# Altium PCB Seeed Case (113x70x25) - Alarm Interface (32U4).PcbDoc
Units mm, origin at the board's own origin, x right, y up, seen from the top; angles counter-clockwise.
Board outline 109.75 x 66.75 mm, 2 copper layers (Top Layer, Bottom Layer), stack 1.691 mm thick; 111 components, 94 nets, 403 pads, 88 vias.
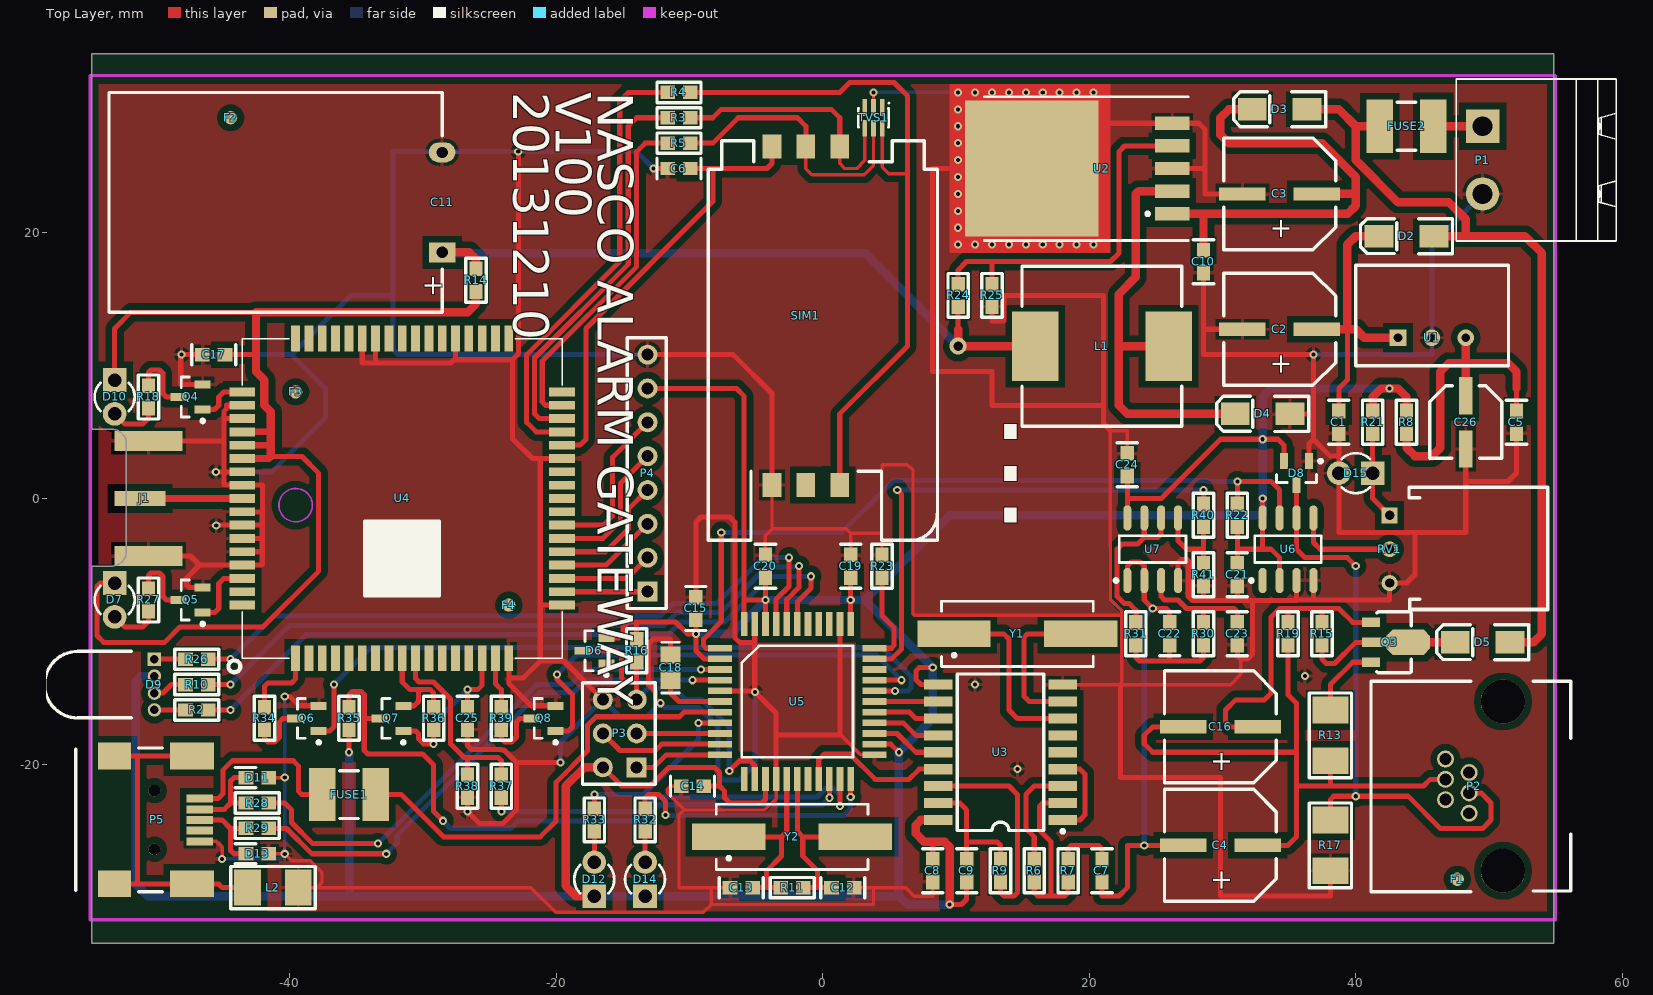
[diagram p0: Top Layer view]
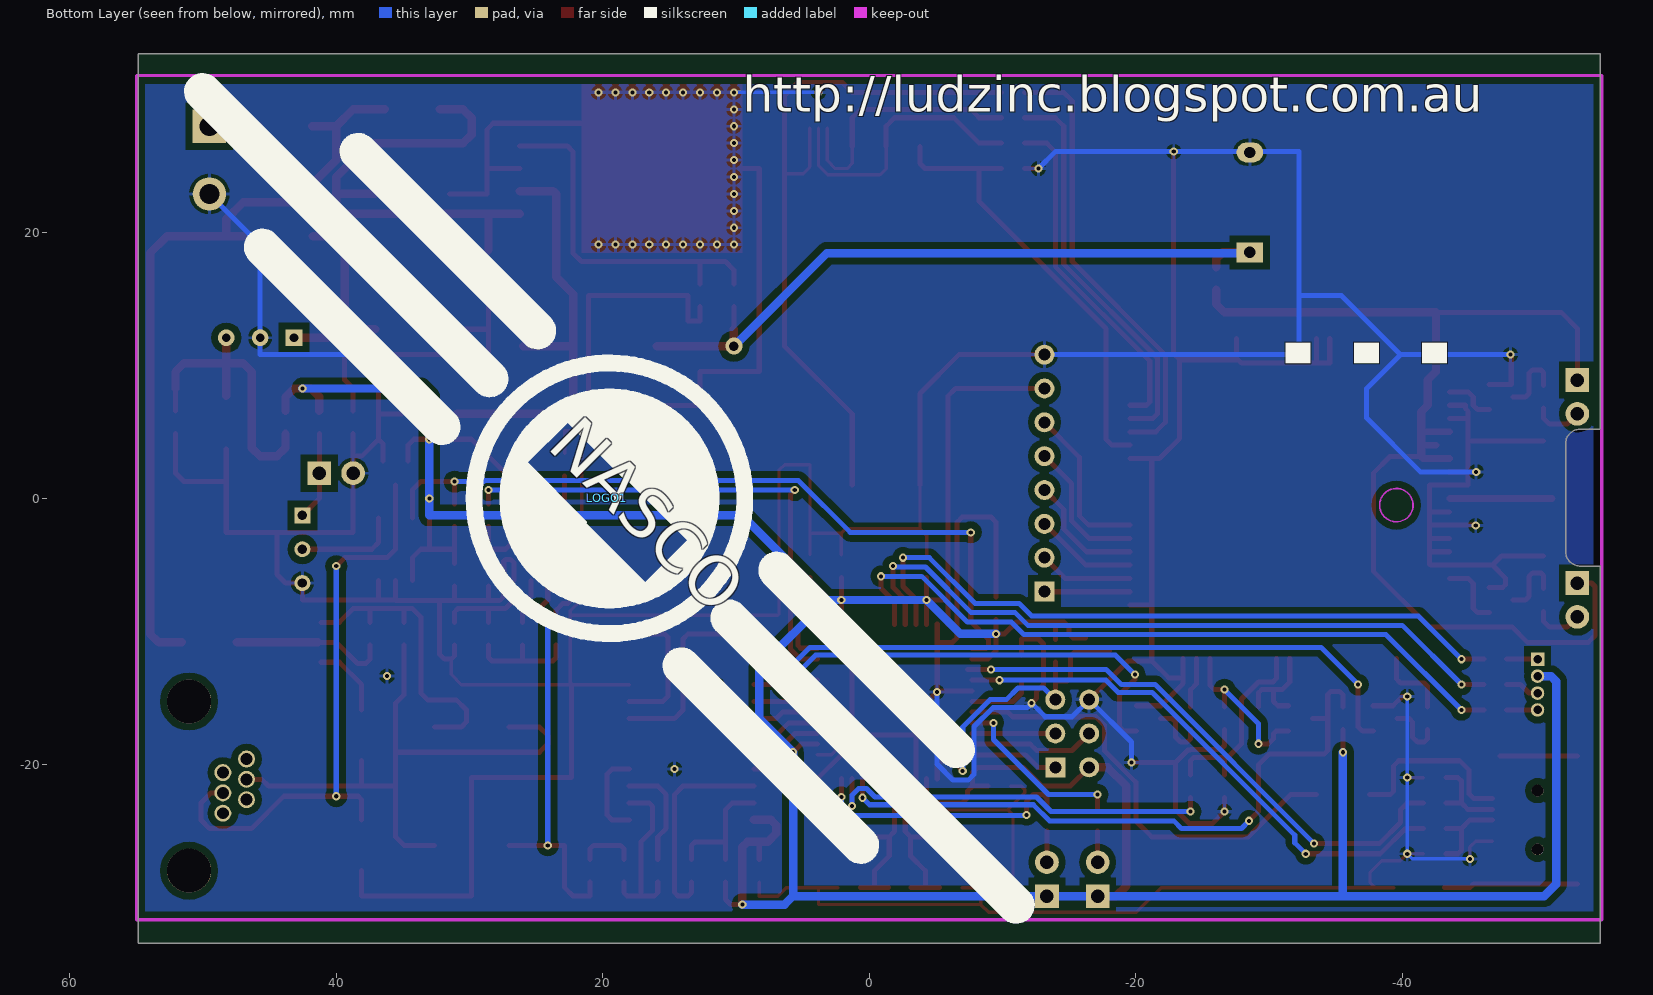
[diagram p1: Bottom Layer view, seen from below]

## Layer stack, top to bottom
Top Layer: signal copper 0.0356
Dielectric: core 1.62, FR-4, Dk 4.8
Bottom Layer: signal copper 0.0356

## Board outline
-54.873,-5.08 -53.399,-5.08 ccw(c-53.399,-3.953) -52.271,-3.953 -52.271,4.08 ccw(c-53.399,4.08) -53.399,5.207 -54.873,5.207 -54.873,33.373 54.873,33.373 54.873,-33.373 -54.873,-33.373

## Design rules (kind name [scope] priority, off if disabled: settings)
Clearance Poly_GND [inPolygon vs not innet (gnd)] p1: gap=0.508
Clearance Poly_FIDUCIAL [inPolygon vs not innet (gnd)] p2: gap=1
Clearance [All] p3: gap=0.203
PolygonConnect [All] p1: connectstyle=Relief reliefconductorwidth=0.254 reliefentries=4 polygonreliefangle="90 Angle" airgapwidth=0.254
RoutingVias [All] p1: holewidth=0.305 width=0.61 viastyle="Through Hole" minholewidth=0.305 minwidth=0.61 maxholewidth=0.711 maxwidth=1.27
SolderMaskExpansion [All] p1: expansion=0.102
Width Standard [All] p1: maxlimit=0.635 minlimit=0.203 preferedwidth=0.203
Width Power [inNet('VIN')] p2: maxlimit=2.54 minlimit=0.203 preferedwidth=0.635
28 further rules are at their usual default settings.

## Classes and differential pairs
component class "NASCO Alarm Interface": LOGO1
component class U_ATMEGA32U4-AU: C12 C13 C14 C15 C18 C19 C20 D6 D9 D11 D12 D13 D14 FUSE1 L2 P3 P5 R2 R10 R11 R16 R23 R26 R28 R29 R32 R33 U5 Y2
component class "U_Mechanical Info": F1 F2 F3 F4 PLUG
component class "U_Power Supply": C1 C2 C3 C5 C10 C11 C26 D2 D3 D4 D5 FUSE2 L1 P1 R8 R14 R24 R25 U1 U2
component class U_SIM900: C6 C17 C25 D7 D10 J1 P4 Q4 Q5 Q6 Q7 Q8 R3 R4 R5 R18 R27 R34 R35 R36 R37 R38 R39 SIM1 TVS1 U4
component class "U_Telephone Line Emulator": C4 C7 C8 C9 C16 C21 C22 C23 C24 D8 D15 P2 Q3 R6 R7 R9 R13 R15 R17 R19 R21 R22 R30 R31 R40 R41 RV1 U3 U6 U7 Y1

## Components (designator, comment, footprint, x,y, rotation, side; value= is the part's Value field where it differs from the comment)
C1 "100nF" "CAP (3D) - 0603" 38.735,5.715 r90 top
C2 "100uF" "CAP ELECTRO SIZE-E" 34.29,12.7 r90 top
C3 "100uF" "CAP ELECTRO SIZE-E" 34.29,22.86 r90 top
C4 "100uF" "CAP ELECTRO SIZE-E" 29.845,-26.035 r90 top
C5 "100nF" "CAP (3D) - 0603" 52.07,5.715 r90 top
C6 "100nF" "CAP (3D) - 0603" -10.795,24.765 r0 top
C7 "100nF" "CAP (3D) - 0603" 20.955,-27.94 r90 top
C8 "100nF" "CAP (3D) - 0603" 8.255,-27.94 r90 top
C9 "100nF" "CAP (3D) - 0603" 10.795,-27.94 r270 top
C10 "100nF" "CAP (3D) - 0603" 28.575,17.78 r90 top
C11 "2700uF" "CAP D(16) L(20) P(7.5)" -28.575,22.225 r270 top
C12 "22pF" "CAP (3D) - 0603" 1.505,-29.21 r180 top
C13 "22pF" "CAP (3D) - 0603" -6.115,-29.21 r0 top
C14 "100nF" "CAP (3D) - 0603" -9.779,-21.59 r0 top
C15 "100nF" "CAP (3D) - 0603" -9.525,-8.255 r270 top
C16 "100uF" "CAP ELECTRO SIZE-E" 29.845,-17.145 r90 top
C17 "100nF" "CAP (3D) - 0603" -45.72,10.795 r0 top
C18 "1uF" "CAP (3D) - 0805" -11.43,-12.7 r90 top
C19 "100nF" "CAP (3D) - 0603" 2.095,-5.08 r270 top
C20 "100nF" "CAP (3D) - 0603" -4.305,-5.08 r270 top
C21 "100nF" "CAP (3D) - 0603" 31.115,-5.715 r90 top
C22 "10nF" "CAP (3D) - 0603" 26.035,-10.16 r270 top
C23 "10nF" "CAP (3D) - 0603" 31.115,-10.16 r90 top
C24 "100nF" "CAP (3D) - 0603" 22.86,2.54 r270 top
C25 "100nF" "CAP (3D) - 0603" -26.67,-16.51 r90 top
C26 "10uF" "CAP ELECTRO SIZE-C" 48.26,5.715 r180 top
D2 "S1M" DO-214AC 43.815,19.685 r180 top
D3 "S1M" DO-214AC 34.29,29.21 r180 top
D4 "CD214A-B340LF" DO-214AC 33.02,6.35 r180 top
D5 "S1M" DO-214AC 49.53,-10.795 r180 top
D6 "BAV99" SOT23-3L -17.145,-11.43 r180 top
D7 "LED (RED)" "LED(3D) 3MM RIGHT ANGLE RED" -53.159,-7.62 r90 top
D8 "BAV99" SOT23-3L 35.56,1.905 r270 top
D9 "RGB 5mm" "LED(3D) 5MM RIGHT ANGLE (RGB) - COMMON ANODE" -50.165,-13.97 r90 top
D10 "LED (GREEN)" "LED(3D) 3MM RIGHT ANGLE GREEN" -53.159,7.62 r90 top
D11 "TVS" "TVS (3D) - 0603" -42.448,-20.955 r0 top
D12 "LED (RED)" "LED(3D) 3MM VERTICAL (RED)" -17.145,-28.575 r270 top
D13 "TVS" "TVS (3D) - 0603" -42.448,-26.67 r0 top
D14 "LED (GREEN)" "LED(3D) 3MM VERTICAL (GREEN)" -13.335,-28.575 r270 top
D15 "LED (RED)" "LED 3MM" 40.005,1.905 r0 top
F1 "Fiducial" FIDUCIAL 47.625,-28.575 r90 top
F2 "Fiducial" FIDUCIAL -44.45,28.575 r90 top
F3 "Fiducial" FIDUCIAL -39.569,8 r90 top
F4 "Fiducial" FIDUCIAL -23.568,-8 r90 top
FUSE1 "500mA" "miniSMD Polyswitch" -35.56,-22.225 r0 top
FUSE2 "500mA" "miniSMD Polyswitch" 43.815,27.94 r180 top
J1 "SMA" "SMA EDGE MOUNT" -56.08,0 r0 top
L1 "Inductor" "INDUCTOR 12x12x8" 20.955,11.43 r270 top
L2 "BEAD" "RES (3D) - 1210" -41.275,-29.21 r0 top
LOGO1 "NASCO" NASCO_LOGO 19.685,0 r225 bottom
P1 "Power" "5.08MM HEADER 2 WAY RA- WITH SOCKET" 49.53,27.94 r270 top
P2 "PHONE" "MOLEXZ RJ11" 47.625,-21.59 r270 top
P3 "Header 6" "HDR2X3 (3D)" -15.24,-17.64 r90 top
P4 "Header 8" "HDR1X8 (3D)" -13.154,-6.985 r90 top
P5 "MICRO USB" "MINI USB" -50.165,-24.13 r270 top
Q3 "BCX56" SOT89 42.545,-10.795 r270 top
Q4 "MMUN2211LT1" SOT23-3L -47.444,7.62 r180 top
Q5 "MMUN2211LT1" SOT23-3L -47.444,-7.62 r180 top
Q6 "MMUN2211LT1" SOT23-3L -38.735,-16.51 r180 top
Q7 "BSS138BK,215" SOT23-3L -32.385,-16.51 r180 top
Q8 "MMUN2211LT1" SOT23-3L -20.955,-16.51 r180 top
R2 "1k" "RES (3D) - 0603" -46.99,-15.875 r0 top
R3 "22R" "RES (3D) - 0603" -10.795,28.575 r180 top
R4 "22R" "RES (3D) - 0603" -10.795,30.48 r180 top
R5 "22R" "RES (3D) - 0603" -10.795,26.67 r180 top
R6 "100k" "RES (3D) - 0603" 15.875,-27.94 r270 top
R7 "100k" "RES (3D) - 0603" 18.415,-27.94 r90 top
R8 "0R" "RES (3D) - 0603" 43.815,5.715 r270 top
R9 "300k" "RES (3D) - 0603" 13.335,-27.94 r270 top
R10 "22k" "RES (3D) - 0603" -46.99,-13.97 r0 top
R11 "1MEG" "RES (3D) - 0603" -2.305,-29.21 r180 top
R13 "15R 1/2 WATT" "RES (3D) - 1210" 38.1,-17.78 r90 top
R14 "0R" "RES (3D) - 0603" -26.035,16.383 r90 top
R15 "10k" "RES (3D) - 0603" 37.465,-10.16 r90 top
R16 "10k" "RES (3D) - 0603" -13.97,-11.43 r270 top
R17 "10R 1/2 WATT" "RES (3D) - 1210" 38.1,-26.035 r90 top
R18 "470R" "RES (3D) - 0603" -50.619,7.62 r90 top
R19 "10k" "RES (3D) - 0603" 34.925,-10.16 r270 top
R21 "1k" "RES (3D) - 0603" 41.275,5.715 r270 top
R22 "10k" "RES (3D) - 0603" 31.115,-1.27 r90 top
R23 "10k" "RES (3D) - 0603" 4.445,-5.08 r90 top
R24 "3k" "RES (3D) - 0603" 10.16,15.24 r90 top
R25 "1k" "RES (3D) - 0603" 12.7,15.24 r270 top
R26 "1k" "RES (3D) - 0603" -46.99,-12.065 r0 top
R27 "470R" "RES (3D) - 0603" -50.619,-7.62 r90 top
R28 "22R" "RES (3D) - 0603" -42.448,-22.86 r180 top
R29 "22R" "RES (3D) - 0603" -42.448,-24.765 r180 top
R30 "11k" "RES (3D) - 0603" 28.575,-10.16 r270 top
R31 "11k" "RES (3D) - 0603" 23.495,-10.16 r90 top
R32 "470R" "RES (3D) - 0603" -13.335,-24.13 r90 top
R33 "470R" "RES (3D) - 0603" -17.145,-24.13 r90 top
R34 "1k" "RES (3D) - 0603" -41.91,-16.51 r270 top
R35 "10k" "RES (3D) - 0603" -35.56,-16.51 r90 top
R36 "10k" "RES (3D) - 0603" -29.21,-16.51 r90 top
R37 "22k" "RES (3D) - 0603" -24.13,-21.59 r270 top
R38 "33k" "RES (3D) - 0603" -26.67,-21.59 r90 top
R39 "1k" "RES (3D) - 0603" -24.13,-16.51 r270 top
R40 "10k" "RES (3D) - 0603" 28.575,-1.27 r90 top
R41 "10k" "RES (3D) - 0603" 28.575,-5.715 r270 top
RV1 "10k" "TRIMPOT (10 TURN) - RIGHT ANGLE" 42.545,-3.81 r270 top
SIM1 "FCI 7111S2015X02LF" "SIM CARD" -1.27,13.716 r90 top
TVS1 "SMF05C" SOT-363 3.81,28.575 r180 top
U1 "R-78E5.0-0.5" R-78E5.0-0.5 49.53,10.795 r0 top
U2 "LM2596" D2-PAK 20.955,24.765 r90 top
U3 "MT8870DS" SOIC-18 13.335,-19.05 r90 top
U4 "SIM900" SIM900 -31.569,0 r0 top
U5 "ATMEGA32U4-AU" TQFP44 -1.905,-15.24 r270 top
U6 "LM393AN" SO-8 34.925,-3.81 r90 top
U7 "LMV932MA" SO-8 24.765,-3.81 r90 top
Y1 "3.5795 MHz" HC49/4H_SMX 14.605,-10.16 r0 top
Y2 "16MHz" HC49/4H_SMX -2.305,-25.4 r0 top

## Footprints (in the part's own frame and the unit in brackets; to place one, negate y for a bottom-side part, rotate by r counter-clockwise, add the part's x,y. Pads: shape width x height; smd on the part's side, far side on the other; paste and mask are expansions set on the pad)
"5.08MM HEADER 2 WAY RA- WITH SOCKET" [mm] "PHOENIX CONTACT 1757019 & 1759017"
  rect 2.5x2.5 hole 1.5: 1(0,0)
  round 2.5 hole 1.5: 2(5.08,0)
  silkscreen extent -3.54,-1.98 8.62,10.02, body extent -2.54,-2.01 7.67,19.18, height 15.02
"CAP (3D) - 0603" [mm]
  rect 1.1x1 smd: 1(0.85,0) 2(-0.85,0)
  silkscreen extent -1.65,-0.76 1.65,0.76, body extent -0.8,-0.4 0.8,0.4, height 0.92
"CAP (3D) - 0805" [mm]
  rect 1.3x1.5 smd: 1(-0.95,0) 2(0.95,0)
  silkscreen extent -1.9,-0.65 1.9,0.65, body extent -1,-0.63 1,0.63, height 1
"CAP D(16) L(20) P(7.5)" [mm] "Polarized Capacitor (Radial); 2 Leads"
  rect 1.5x2 hole 0.85: 1(3.75,0)
  oval 1.5x2 hole 0.85: 2(-3.75,0)
  silkscreen extent -8.25,-25 8.25,0, body extent -8.21,-25 8.21,0, height 16.22
"CAP ELECTRO SIZE-C" [mm]
  rect 1x2.8 smd: 1(0,-2) 2(0,2)
  silkscreen extent -2.7,-2.75 2.7,2.7, body extent -2.65,-2.95 2.65,2.95, height 5.41
"CAP ELECTRO SIZE-E" [mm]
  rect 1x3.5 smd: 1(0,-2.8) 2(0,2.8)
  silkscreen extent -4.2,-4.2 4.2,4.2, body extent -4.15,-4.5 4.15,4.5, height 6.2
D2-PAK [mm] "D2-PAK; 5 Leads; Body 14.7 (inc. leads) x 10.2 mm (LxW max)"
  rect 1x2.6 smd: 1(-3.4,-5.275) 2(-1.7,-5.275) 3(0,-5.275) 4(1.7,-5.275) 5(3.4,-5.275)
  rect 10.2x10 smd: 6(0,5.275)
  Top Layer region: -6.349,-0.635 6.351,-0.635 6.351,11.43 -6.349,11.43
  silkscreen extent -5.4,-6.48 5.4,8.82, body extent -5,-5.99 5,9.68, height 4.81
DO-214AC [mil]
  rect 85x67 smd: 1(-81,0) 2(81,0)
  silkscreen extent -136,-52 136,52, body extent -79,-39 79,39, height 61
FIDUCIAL [mm]
  round 1 smd mask+1: 0(0,0)
HC49/4H_SMX [mm] "Quartz Crystal, SM; Body 13.4 (inc. leads) x 4.9 mm (LxW max)"
  rect 5.5x2 smd: 1(-4.75,0) 2(4.75,0)
  silkscreen extent -5.7,-2.45 5.7,2.45, body extent -6.36,-2.35 6.34,2.35, height 4.2
"HDR1X8 (3D)" [mm] "Connector; Header; 8 Position"
  rect 1.5x1.5 hole 0.9: 1(0,0)
  round 1.5 hole 0.9: 2(2.54,0) 3(5.08,0) 4(7.62,0) 5(10.16,0) 6(12.7,0) 7(15.24,0) 8(17.78,0)
  silkscreen extent -1.27,-1.4 19.05,1.52, body extent -1.27,-1.4 19.05,1.52, height 8.53
"HDR2X3 (3D)" [mm]
  rect 1.5x1.5 hole 0.9: 1(-2.54,-1.27)
  round 1.5 hole 0.9: 2(-2.54,1.27) 3(0,-1.27) 4(0,1.27) 5(2.54,-1.27) 6(2.54,1.27)
  silkscreen extent -3.81,-2.67 3.81,2.79, body extent -3.81,-2.67 3.81,2.79, height 8.53
"INDUCTOR 12x12x8" [mm]
  rect 5.2x3.5 smd: 1(0,5) 2(0,-5)
  silkscreen extent -6,-6 6,6, body extent -6,-6 6,6, height 8.02
"LED 3MM" [mil]
  rect 70x70 hole 40: 1(50.06,-0.28)
  round 70 hole 40: 2(-49.94,-0.28)
  silkscreen extent -42,-59 42,59
"LED(3D) 3MM RIGHT ANGLE GREEN" [mil]
  rect 70x70 hole 40: 1(50.06,-0.28)
  round 70 hole 40: 2(-49.94,-0.28)
  silkscreen extent -42,-59 42,59, body extent -66,-55 61,239, height 144
"LED(3D) 3MM RIGHT ANGLE RED" [mil]
  rect 70x70 hole 40: 1(50.06,-0.28)
  round 70 hole 40: 2(-49.94,-0.28)
  silkscreen extent -42,-59 42,59, body extent -66,-53 61,241, height 144
"LED(3D) 3MM VERTICAL (GREEN)" [mil]
  rect 70x70 hole 40: 1(50.06,-0.28)
  round 70 hole 40: 2(-49.94,-0.28)
  silkscreen extent -42,-59 42,59, body extent -65,-65 61,64, height 196
"LED(3D) 3MM VERTICAL (RED)" [mil]
  rect 70x70 hole 40: 1(50.06,-0.28)
  round 70 hole 40: 2(-49.94,-0.28)
  silkscreen extent -42,-59 42,59, body extent -66,-66 61,64, height 207
"LED(3D) 5MM RIGHT ANGLE (RGB) - COMMON ANODE" [mil]
  rect 40x40 hole 25: 1(75,0)
  round 40 hole 25: 2(25,0) 3(-25,0) 4(-75,0)
  silkscreen extent -99,69 98,325, body extent -98,69 98,324, height 201
"MINI USB" [mm] "KEYSTONE ELECTRONICS 934"
  rect 2x3.3 smd: 0(-4.8,2.8) 0(4.8,2.8)
  rect 2x2.5 smd: 0(-4.8,-3) 0(4.8,-3)
  rect 0.6x2 smd: 1(-1.6,3.4) 2(-0.8,3.4) 3(0,3.4) 4(0.8,3.4) 5(1.6,3.4)
  round 0.89 hole 0.89 unplated: MT(-2.2,0) MT(2.2,0)
  silkscreen extent -5.4,-5.9 5.4,0.6, body extent -5.35,-5.9 5.35,3.3, height 3.97
"miniSMD Polyswitch" [mm] "RAYCHEM - MINISMDC050F-2"
  rect 2x4 smd: 1(-2,0) 2(2,0)
  silkscreen extent -0.7,-1.8 0.7,1.8, body extent -2.4,-1.7 2.4,1.7, height 0.62
"MOLEXZ RJ11" [mil] "438600020 (MOLEX RJ11)"
  round 130 hole 130 unplated: 0(-250,135) 0(250,135)
  round 50 hole 35: 1(-80,-35) 2(-40,35) 3(-20,-35) 4(20,35) 5(40,-35) 6(80,35)
  silkscreen extent -310,-255 312,335, body extent -310,-255 312,335, height 507
NASCO_LOGO [mm]
  silkscreen extent -44.34,-10.02 44.58,10.3
R-78E5.0-0.5 [mm] "RECOM R-78E5.0-0.5 DC-DC CONVERTER"
  rect 1.25x1.25 hole 0.65: 1(-6.35,1.27)
  round 1.25 hole 0.65: 2(-3.81,1.27) 3(-1.27,1.27)
  silkscreen extent -9.53,-0.84 1.94,6.71, body extent -9.56,-0.84 1.94,6.71, height 10.22
"RES (3D) - 0603" [mm]
  rect 1.1x1 smd: 1(0.85,0) 2(-0.85,0)
  silkscreen extent -1.65,-0.76 1.65,0.76, body extent -0.8,-0.4 0.8,0.4, height 0.92
"RES (3D) - 1210" [mm] "Chip Diode; Body 3.2 x 2.5 mm (LxW typ)"
  rect 2x2.7 smd: 1(-1.905,0) 2(1.905,0)
  silkscreen extent -3.17,-1.59 3.17,1.59, body extent -2,-1.24 2,1.24, height 1.7
SIM900 [mil] "SIM900 GPRS MODULE"
  rect 26x76 smd: 1(-314.96,-472.44) 2(-275.59,-472.44) 3(-236.22,-472.44) 4(-196.85,-472.44) 5(-157.48,-472.44) 6(-118.11,-472.44) 7(-78.74,-472.44) 8(-39.36,-472.44) 9(0.01,-472.44) 10(39.38,-472.44) 11(78.75,-472.44) 12(118.12,-472.44) 13(157.49,-472.44) 14(196.86,-472.44) 15(236.23,-472.44) 16(275.6,-472.44) 17(314.97,-472.44) 35(314.97,472.44) 36(275.6,472.44) 37(236.23,472.44) 38(196.86,472.44) 39(157.49,472.44) 40(118.12,472.44) 41(78.75,472.44) 42(39.38,472.44) 43(0.01,472.44) 44(-39.36,472.44) 45(-78.74,472.44) 46(-118.11,472.44) 47(-157.48,472.44) 48(-196.85,472.44) 49(-236.22,472.44) 50(-275.59,472.44) 51(-314.96,472.44)
  rect 76x26 smd: 18(472.45,-314.96) 19(472.45,-275.59) 20(472.45,-236.22) 21(472.45,-196.85) 22(472.45,-157.48) 23(472.45,-118.11) 24(472.45,-78.74) 25(472.45,-39.37) 26(472.45,0) 27(472.45,39.37) 28(472.45,78.74) 29(472.45,118.11) 30(472.45,157.48) 31(472.45,196.85) 32(472.45,236.22) 33(472.45,275.59) 34(472.45,314.96) 52(-472.44,314.96) 53(-472.44,275.59) 54(-472.44,236.22) 55(-472.44,196.85) 56(-472.44,157.48) 57(-472.44,118.11) 58(-472.44,78.74) 59(-472.44,39.37) 60(-472.44,0) 61(-472.44,-39.37) 62(-472.44,-78.74) 63(-472.44,-118.11) 64(-472.44,-157.48) 65(-472.44,-196.85) 66(-472.44,-236.22) 67(-472.44,-275.59) 68(-472.44,-314.96)
  Keep-Out Layer circle w5: c-314.96,-19.69 r49.33
  silkscreen extent -514,-514 472,472, body extent -472,-472 472,472, height 119
"SIM CARD" [mm] "FCI 7111S2015X02LF"
  rect 1.8x1.4 smd: C1(12.7,2.54) C2(12.7,0) C3(12.7,-2.54) C5(-12.7,2.54) C6(-12.7,0) C7(-12.7,-2.54)
  silkscreen extent -16.87,-9.88 13.15,7.32, body extent -16.85,-9.88 13.15,7.32, height 2.27
"SMA EDGE MOUNT" [mil]
  rect 150x45 smd: 1(190,0)
  rect 200x60 smd: 2(215,-170) 2(215,170)
  body extent -244,-187 300,187, height 161
SO-8 [mm] "SOIC, 8-Leads, Body 4.9x3.9mm, Pitch 1.27mm, IPC High Density"
  oval 1.9x0.6 smd: 1(-2.35,1.905) 2(-2.35,0.635) 3(-2.35,-0.635) 4(-2.35,-1.905) 5(2.35,-1.905) 6(2.35,-0.635) 7(2.35,0.635) 8(2.35,1.905)
  silkscreen extent -2.47,-2.5 1,2.88, body extent -2.9,-2.45 3.1,2.45, height 1.75
SOIC-18 [mil]
  rect 30x85 smd: 1(-200,-184.05) 2(-150,-184.05) 3(-100,-184.05) 4(-50,-184.05) 5(0,-184.05) 6(50,-184.05) 7(100,-184.05) 8(150,-184.05) 9(200,-184.05) 10(200,184.06) 11(150,184.06) 12(100,184.06) 13(50,184.06) 14(0,184.06) 15(-50,184.06) 16(-100,184.06) 17(-150,184.06) 18(-200,184.06)
  silkscreen extent -238,-189 231,128, body extent -236,-148 236,148, height 100
SOT23-3L [mm] "SOT23, 3-Leads, Body 2.9x1.3mm, Pitch 0.95mm, Lead Span 2.5mm, IPC High Density"
  rect 1.2x0.6 smd: 1(-0.9,0.95) 2(-0.9,-0.95) 3(0.9,0)
  silkscreen extent -1.02,-1.5 0.7,1.92, body extent -1.25,-1.5 1.25,1.5, height 1.12
SOT89 [mm]
  rect 0.7x1.35 smd: 1(1.5,-1.388) 3(-1.5,-1.388)
  rect 0.7x1.8 smd: 2(0,-1.163)
  oct 1.9x3.3 smd: 2(0,1.388)
  silkscreen extent -2.3,-0.97 2.3,1.63, body extent -2.3,-1.9 2.3,2.35, height 1.62
SOT-363 [mm] "SOT-363/SC-88; 6 Leads; Body 2.2 x 2.2 mm, inc. leads (LxW max)"
  rect 0.35x1.25 smd: 1(-0.65,-0.775) 2(0,-0.775) 3(0.65,-0.775) 4(0.65,0.775) 5(0,0.775) 6(-0.65,0.775)
  silkscreen extent -1.2,-1.15 1.15,0.7, body extent -1.05,-1.15 1.05,1.15, height 1
TQFP44 [mm]
  rect 0.5x1.8 smd: 1(-4,-5.8) 2(-3.2,-5.8) 3(-2.4,-5.8) 4(-1.6,-5.8) 5(-0.8,-5.8) 6(0,-5.8) 7(0.8,-5.8) 8(1.6,-5.8) 9(2.4,-5.8) 10(3.2,-5.8) 11(4,-5.8) 23(4,5.8) 24(3.2,5.8) 25(2.4,5.8) 26(1.6,5.8) 27(0.8,5.8) 28(0,5.8) 29(-0.8,5.8) 30(-1.6,5.8) 31(-2.4,5.8) 32(-3.2,5.8) 33(-4,5.8)
  rect 1.8x0.5 smd: 12(5.8,-4) 13(5.8,-3.2) 14(5.8,-2.4) 15(5.8,-1.6) 16(5.8,-0.8) 17(5.8,0) 18(5.8,0.8) 19(5.8,1.6) 20(5.8,2.4) 21(5.8,3.2) 22(5.8,4) 34(-5.8,4) 35(-5.8,3.2) 36(-5.8,2.4) 37(-5.8,1.6) 38(-5.8,0.8) 39(-5.8,0) 40(-5.8,-0.8) 41(-5.8,-1.6) 42(-5.8,-2.4) 43(-5.8,-3.2) 44(-5.8,-4)
  silkscreen extent -4.18,-4.18 4.18,4.17, body extent -6.02,-5.98 5.98,6.02, height 1.02
"TRIMPOT (10 TURN) - RIGHT ANGLE" [mm] "Thru-Hole; 3 Leads"
  rect 1.2x1.2 hole 0.7: 1(-2.54,0)
  round 1.2 hole 0.7: 2(0,0) 3(2.54,0)
  silkscreen extent -4.66,1.46 4.54,11.86, body extent -4.6,-4 4.6,13.5, height 4.72
"TVS (3D) - 0603" [mm]
  rect 1.1x1 smd: 1(0.85,0) 2(-0.85,0)
  silkscreen extent -1.65,-0.76 -0.13,0.76, body extent -0.8,-0.4 0.8,0.4, height 0.72

## Part data
C1 C5 C10 C17: library part CAP, "CAPACITOR SMD 0603"
C2 C3 C4 C16: library part "100uF 25V ALU E", "100uF 25V"
C6 C14 C15 C19 C20 C22 C23: library part "CAP SMD 0603 100nF", "CAPACITOR SMD 0603"
C7 C8 C9 C21 C24: library part CAP, "CAPACITOR SMD 0402"
C11: library part "1000uF 10V ALU G_1", "1000uF 10V"
C12 C13 C25: library part "CAP SMD 0603 1nF", "CAPACITOR SMD 0603"
C18: library part "CAP SMD 0805 1uF", "CAPACITOR SMD 0805"
C26: library part "Cap Pol", "CAPACITOR POLARISED TAG B CASE"
D2 D3 D5: library part DIODE, "DIODE, POWER"
D4: "CD214A-B340LF 3A SCHOTTKY (40V RB)"
D6 D8: "DUAL DIODE, BAV99"
D7 D12 D15: library part "LED 3mm RED", "3mm RED LED"
D9: library part RGB_5mm
D10 D14: library part "LED 3mm GREEN", "3mm GREEN LED"
D11 D13: library part "TVS DIODE", "Transient Voltage Suppression (TVS) Diode"
FUSE1: library part "POLYSWITCH 500mA 1812", "POLYSWITCH 500mA 1812"
FUSE2: library part "POLYSWITCH 500mA", "POLYSWITCH 500mA"
J1: library part "SMA 142-0701-801", "JOHNSON / EMERSON SMA PCB EDGE"
L2: library part "INDUCTOR SMD 1210 100uH", "INDUCTOR SMD 1210"
LOGO1: library part NASCO_LOGO, "Quad 2-Input OR Gate"
P1: library part "Header 2H", "Header, 2-Pin, Right Angle"
P2: library part "Header 6", "Header, 6-Pin"
P3: "Header, 6-Pin"
P4: "Header, 8-Pin"
Q3: "NPN Bipolar Transistor"
Q4 Q5 Q6 Q8: library part "MMUN221LT1 NPN DIGITAL TRANSISTOR"
Q7: library part "BSS138BK,215 SOT23", "N-Channel MOSFET"
R2 R10 R24 R25 R26: library part "RES SMD 0603 10k", "RESISTOR SMD 0603"
R3 R4 R5 R8 R11 R14 R28 R29: library part "RES SMD 0603 0R", "RESISTOR SMD 0603 0R"
R6 R7 R9 R13 R17 R22: library part "RES SMD 0603 100R", "RESISTOR SMD 0603"
R15 R16 R19 R23 R35 R36: library part "RES SMD 0603 10k", "RESISTOR SMD 0603 10k"
R18 R27 R32 R33: library part "RES SMD 0603 590R", "RESISTOR SMD 0603 590R"
R21 R30 R31 R34 R37 R38 R39 R40 R41: library part "RES SMD 0603 1k", "RESISTOR SMD 0603 1k"
RV1: library part "VAR (POT) SMD", "Variable Resistor"
SIM1: "FCI 7111S2015X02LF SIM CARD HOLDER"
U1: "3-Terminal Positive Fixed Voltage Regulator"
U2: library part LM2576D2T-ADJ, "Easy Switcher 3.0A Step-Down Voltage Regulator"
U3: library part MT8870, "MT8870 DTMF DECODER"
U5: library part ATmega32U4
U6: "Dual Comparator"
U7: library part LMV932MA/NOPB, "Low Power Dual Operational Amplifier, 8-pin Narrow SOIC"
Y1 Y2: library part XTAL, "Crystal Oscillator"

## Via types
v1: diameter 0.61, hole 0.305, Top Layer to Bottom Layer, 87 vias
v2: diameter 1.27, hole 0.711, Top Layer to Bottom Layer, 1 vias
